# Altium PCB iMX6 Rex_V1I1_PCB.PcbDoc (part 6 of 8)
Units mm, origin at the board's own origin, x right, y up, seen from the top; angles counter-clockwise.
Board outline 70 x 40 mm, 12 copper layers (L1, L2, L3, L4, L5 (PWR), L6 (PWR), L7 (PWR), L8 (PWR), L9, L10, L11, L12), stack 1.566 mm thick; 473 components, 409 nets, 2294 pads, 1880 vias.
Unrouted connection lines stored in the file: 7.
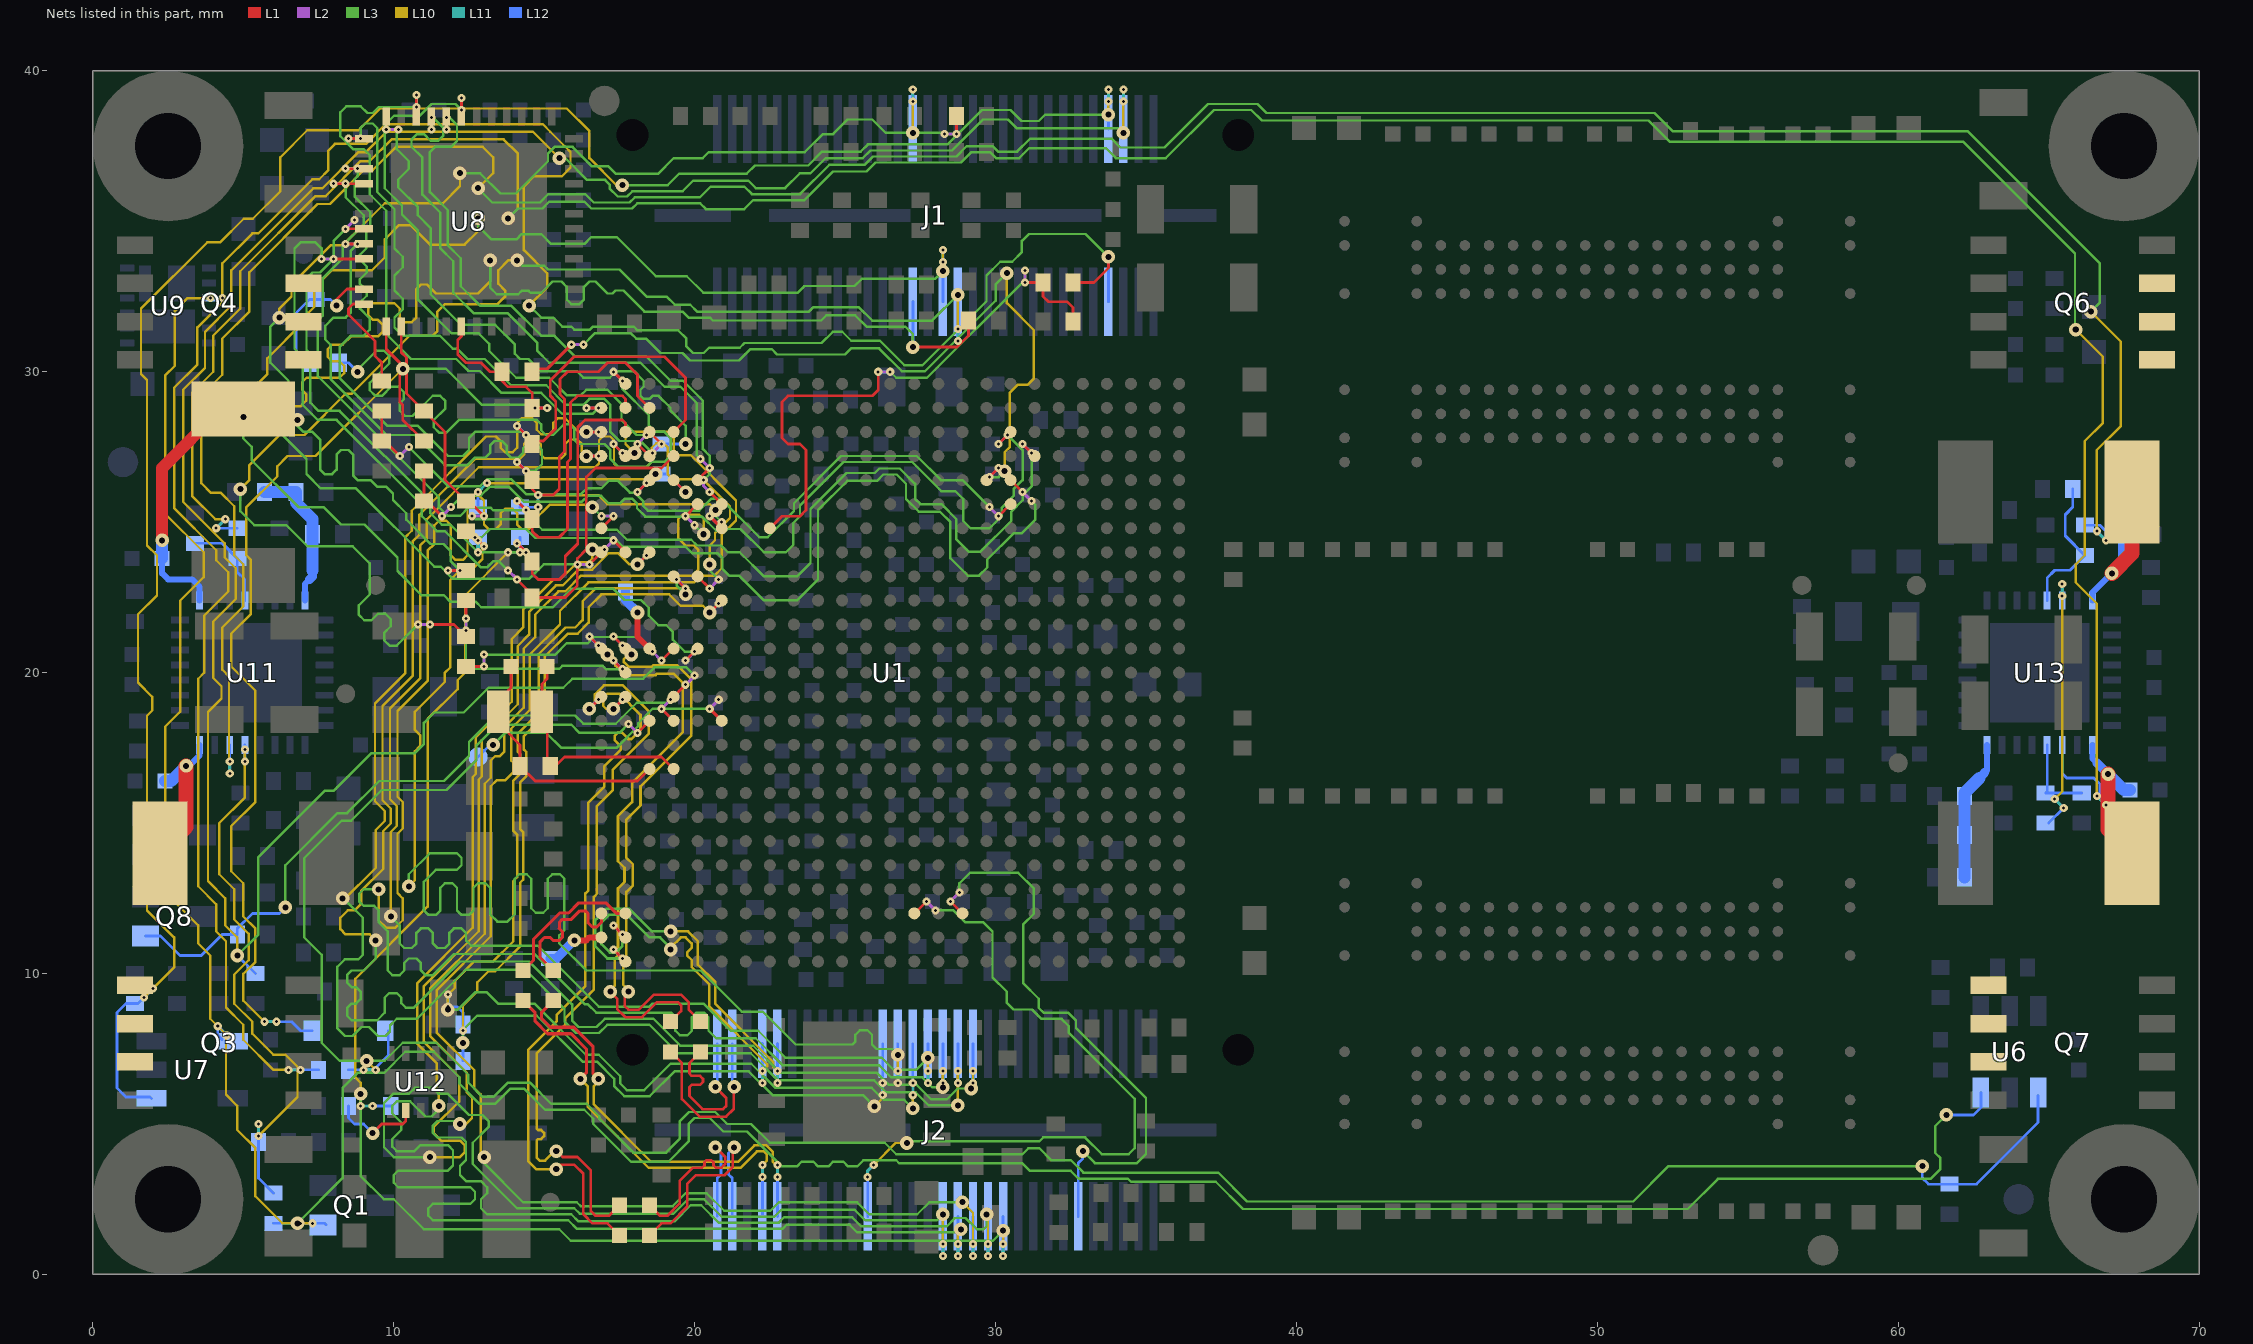
[diagram p16: the nets of this part, all layers, seen from the top]

## Via types
v1: diameter 0.45, hole 0.2, L1 to L12, tented both sides, 761 vias
v2: diameter 0.27, hole 0.1, L1 to L2, 305 vias
v3: diameter 0.27, hole 0.1, L2 to L3, 290 vias
v4: diameter 0.45, hole 0.2, L3 to L10, 196 vias
v5: diameter 0.27, hole 0.1, L11 to L12, 185 vias
v6: diameter 0.27, hole 0.1, L10 to L11, 142 vias
v7: diameter 0.45, hole 0.2, L3 to L10, tented both sides, 1 vias

## Nets (pads, with @x,y where several pads share a name; then routed paths per layer and width w, separated by ;. In a path a pad name is that pad's centre, name@x,y a point inside that pad or via, vN(x,y) a via of type N, cw(c..) or ccw(c..) an arc to the next point about the centre after c; other vN are vias at no path point) (continued)
ON_OFF: J1.6 R48.1 U1.D12 | length 84.9
  L1 w0.093: U1.D12@19.3,19.2 v2(19.7,19.6)
  L2 w0.1: v2(19.7,19.6) v3(20,19.9)
  L3 w0.08: v1(4.8,10.6) 5.5,11.3 5.5,13.87 7.7,16.07 8,16.07 9.255,17.325 10.7,17.325 11,17.625 11,18.33 11.345,18.675 12.326,18.675 13.151,19.5 15.634,19.5 15.934,19.8 18.287,19.8 18.662,20.175 19.725,20.175 v3(20,19.9) ; v4(15.5,37.1) 15.7,37.1 16.422,36.378 17.022,36.378 17.175,36.225 17.175,36.095 17.445,35.825 17.755,35.825 17.93,36 19.6,36 19.955,36.355 21.782,36.355 22.032,36.105 23.005,36.105 23.496,36.596 23.85,36.596 24.349,37.095 25.581,37.095 25.841,37.355 28.555,37.355 29.585,38.385 30.418,38.385 30.585,38.218 30.585,38.215 30.7,38.1 34.092,38.1 v4(34.25,37.943)
  L10 w0.08: v1(4.8,10.6) 4.8,11.2 4.4,11.6 4.4,12.5 3.825,13.075 3.825,18.695 4.275,19.145 4.275,19.55 4,19.825 4,21.7 4.75,22.45 4.75,23.468 4.38,23.838 4.38,24.3 3,25.68 3,29.4 3.725,30.125 3.725,31.325 4.6,32.2 4.6,33.371 7.329,36.1 7.63,36.1 8.83,37.3 9.083,37.3 9.758,37.975 14.625,37.975 v4(15.5,37.1) ; v4(34.25,37.943) v6(34.25,38.982)
  L11 w0.1: v6(34.25,38.982) v5(34.25,39.383)
  L12 w0.093: v1(4.8,10.6) R48.1@5.4,10 ; J1.6@34.25,38.07 v5(34.25,39.383)
PCIE_C_TX_N: C63.1 U1.A3 | length 4.9
  L1 w0.101: C63.1@15.3,10.1 14.865,10.535 14.865,11.061 15.004,11.2 15.2,11.2 15.3,11.1 15.5,11.1 15.6,11.2 15.6,11.4 15.5,11.5 15.504,11.504 15.504,11.7 15.604,11.8 15.9,11.8 16.185,12.085 16.365,12.085 16.45,12 16.45,11.7 16.6,11.55 16.75,11.55 16.9,11.7 U1.A3@16.9,12
PCIE_C_TX_P: C65.1 U1.B3 | length 4.9
  L1 w0.101: C65.1@14.3,10.1 14.65,10.45 14.65,11.15 15.515,12.015 15.811,12.015 16.146,12.35 17.045,12.35 17.396,12 U1.B3@17.7,12
PCIE_REXT: R15.2 U1.A2 | length 2
  L1 w0.2: v1(16,11.1) 16.4,11.1 16.5,11.2 U1.A2@16.9,11.2
  L12 w0.3: R15.2@15.2,10.5 15.4,10.5 v1(16,11.1)
PCIE_RX_N: J2.52 U1.B1 | length 14.1
  L1 w0.101: v2(17.3,10.8) U1.B1@17.7,10.4
  L2 w0.1: v2(17.3,10.8) v3(17.6,10.5)
  L3 w0.085: v3(17.6,10.5) 17.1,10.5 16.7,10.9 16.7,11.783 17.067,12.15 17.833,12.15 18.583,11.4 v4(19.2,11.4)
  L10 w0.085: v4(19.2,11.4) 19.783,11.4 20.103,11.08 20.103,10.3 20.688,9.715 20.688,8.993 22.612,7.068 22.612,6.895 v6(22.75,6.758)
  L11 w0.1: v5(22.75,6.358) v6(22.75,6.758)
  L12 w0.101: v5(22.75,6.358) J2.52@22.75,7.67
PCIE_RX_P: J2.54 U1.B2 | length 14.1
  L1 w0.101: v2(17.3,11.6) U1.B2@17.7,11.2
  L2 w0.1: v2(17.3,11.6) v3(17.6,11.3)
  L3 w0.085: v3(17.6,11.3) 17.6,10.914 17.386,10.7 17.183,10.7 16.9,10.983 16.9,11.7 17.15,11.95 17.75,11.95 18.5,11.2 18.85,11.2 19.2,10.85 v4(19.2,10.8)
  L10 w0.085: v4(19.2,10.8) 19.2,10.859 19.541,11.2 19.7,11.2 19.9,11 19.9,10.853 19.75,10.703 19.75,10.6 19.903,10.447 19.903,10.217 20.488,9.632 20.488,8.91 22.412,6.985 22.412,6.92 v6(22.25,6.758)
  L11 w0.1: v5@22.25,6.358 v6(22.25,6.758)
  L12 w0.101: v5@22.25,6.358 J2.54@22.25,7.67
  other v5: 22.25,6.358
PCIE_TX_N: C63.2 J2.51 | length 14.2
  L1 w0.101: C63.2@15.3,9.1 14.915,8.715 14.915,8.5 15.2,8.215 15.985,8.215 16.615,7.585 16.615,6.685 v1(16.8,6.5)
  L10 w0.085: v1(16.8,6.5) 16.8,6.4 16.641,6.241 16.641,5.659 18.557,3.743 21.438,3.743 21.984,4.289 22.381,4.289 22.6,4.07 22.6,3.743 22.7,3.643 v6(22.75,3.643)
  L11 w0.1: v5(22.75,3.243) v6(22.75,3.643)
  L12 w0.101: J2.51@22.75,1.93 v5(22.75,3.243)
PCIE_TX_P: C65.2 J2.53 | length 14.2
  L1 w0.101: C65.2@14.3,9.1 14.7,8.7 14.7,8.411 15.111,8 15.896,8 16.4,7.496 16.4,6.7 v1(16.2,6.5)
  L10 w0.085: v1(16.2,6.5) 16.441,6.259 16.441,5.576 18.475,3.542 21.52,3.542 22.066,4.089 22.299,4.089 22.4,3.987 22.4,3.793 v6(22.25,3.643)
  L11 w0.1: v5(22.25,3.243) v6(22.25,3.643)
  L12 w0.101: J2.53@22.25,1.93 v5(22.25,3.243)
PCIE_WAKE: J2.39 U1.P3 | length 24.3
  L1 w0.093: U1.P3@27.3,12 v2(27.7,12.4)
  L2 w0.1: v2(27.7,12.4) v3(28,12.1)
  L3 w0.08: v4(27.05,4.368) 27.107,4.425 31.455,4.425 31.585,4.555 32.975,4.555 33.53,4 34.425,4 34.625,4.2 34.625,5.835 32.438,8.023 32.438,8.251 32.196,8.493 31.522,8.493 31.209,8.805 30.595,8.805 30.375,9.025 30.375,9.395 29.9,9.87 29.9,11.4 29.6,11.7 29,11.7 28.6,12.1 v3(28,12.1)
  L10 w0.08: v6(25.95,3.643) 26.676,4.368 v4(27.05,4.368)
  L11 w0.1: v5(25.75,3.243) 25.75,3.443 v6(25.95,3.643)
  L12 w0.093: J2.39@25.75,1.93 v5(25.75,3.243)
PHASE1_2V5: C230.1 L4.2 Q6.5 Q6.6 Q6.7 U13.16 | length 6.7
  L1 w0.5: v1(67.1,23.3) 67.769,23.969 L4.2@67.769,26
  L12 w0.2: U13.16@66.45,22.4 66.45,22.65 v1(67.1,23.3) ; 67.4,23.6 67.4,24.5 C230.1@67.5,24.6
  L12 w0.4: v1(67.1,23.3) 67.4,23.6 67.5,23.7 C230.1@67.5,24.6
PHASE1_3V3: C211.1 L1.2 Q3.5 Q3.6 Q3.7 U11.16 | length 5.1
  L1 w0.5: L1.2@2.231,14 3.1,14.869 v1(3.1,16.9)
  L12 w0.2: v1(3.1,16.9) 3.2,16.9 3.55,17.25 U11.16@3.55,17.6
  L12 w0.4: C211.1@2.4,16.4 2.6,16.4 v1(3.1,16.9)
PHASE2_1V5: C231.2 L5.1 Q7.5 Q7.6 Q7.7 U13.25 | length 5.1
  L1 w0.5: v1(66.975,16.625) 66.975,14.794 L5.1@67.769,14
  L12 w0.2: U13.25@66.45,17.6 66.45,17.15 66.6,17
  L12 w0.3: 66.6,17 v1(66.975,16.625)
  L12 w0.4: v1(66.975,16.625) 67.5,16.1 C231.2@67.7,16.1
PHASE2_1V375: C212.2 L2.1 Q4.5 Q4.6 Q4.7 U11.25 | length 8.9
  L1 w0.4: v1(2.3,24.4) 2.3,26.8 4.269,28.769 L2.1@5,28.769
  L12 w0.2: C212.2@2.3,23.8 2.3,23.3 2.5,23.1 3.3,23.1 3.55,22.85 U11.25@3.55,22.4
  L12 w0.4: C212.2@2.3,23.8 v1(2.3,24.4)
PMIC_ON_REQ: Q8.1 R73.1 U1.D11 | length 23.7
  L1 w0.093: v2(18.9,18.8) U1.D11@19.3,18.4
  L2 w0.1: v2(18.9,18.8) v3(19.2,19.1)
  L3 w0.08: v1(6.4,12.2) 6.4,13.6 8.13,15.33 8.447,15.33 9.517,16.4 11.666,16.4 12.5,17.234 12.5,17.7 13.375,18.575 16.025,18.575 16.3,18.3 17.375,18.3 18.075,19 19.1,19 v3(19.2,19.1)
  L12 w0.093: Q8.1@1.75,11.25 2.25,11.25 2.9,10.6 3.6,10.6 4.3,11.3 R73.1@4.8,11.3 4.8,11.5 5.3,12 6.2,12 v1(6.4,12.2)
PMIC_STBY_REQ: TP3.1 U1.F11 | length 10.2
  L1 w0.093: v2(20.5,18.8) U1.F11@20.9,18.4
  L2 w0.1: v2(20.5,18.8) v3(20.8,19.1)
  L3 w0.08: v1(13.3,17.6) 13.7,18 15.07,18 15.57,17.5 17.403,17.5 18.125,18.222 18.125,18.321 18.604,18.8 v2(20.5,18.8) v3(20.8,19.1)
  L12 w0.093: TP3.1@12.8,17.2 13.2,17.6 v1(13.3,17.6)
POK_1V5: R164.1 U13.14 | length 8.9
  L10 w0.08: v6(65.2,15.8) 65.45,16.05 v6(65.45,22.55)
  L11 w0.1: v6(65.2,15.8) v5(65.5,15.5) ; v6(65.45,22.55) v5(65.45,22.95)
  L12 w0.093: R164.1@65,15 v5(65.5,15.5) ; U13.14@65.45,22.4 v5(65.45,22.95)
POK_1V5_R: R154.1 R164.2 U13.28 | length 2.8
  L12 w0.093: U13.28@64.95,17.6 64.95,16.05 R164.2@64.9,16 R154.1@66.1,16
POK_1V375: R108.1 U13.27 | length 103.1
  L3 w0.08: v4(13.8,35.1) 14.125,35.425 14.938,35.425 15.163,35.65 16.337,35.65 16.562,35.425 17.921,35.425 18.096,35.6 20.18,35.6 20.375,35.405 21.649,35.405 21.949,35.705 23.645,35.705 24.595,36.655 25.707,36.655 26.007,36.955 28.855,36.955 29.2,37.3 29.817,37.3 30.017,37.1 30.786,37.1 31.116,37.43 33.67,37.43 34,37.1 35.655,37.1 37.255,38.7 38.5,38.7 38.85,38.35 51.7,38.35 52.4,37.65 62.15,37.65 65.875,33.925 65.875,31.425 v4(65.9,31.4)
  L10 w0.08: v6(4.4,25.1) 4.07,25.1 3.3,25.87 3.3,29.3 4,30 4,31.2 4.9,32.1 4.9,33.338 7.4,35.838 7.738,35.838 8.9,37 9.2,37 9.925,37.725 13.65,37.725 14.125,37.25 14.125,35.425 v4(13.8,35.1) ; v4(65.9,31.4) 66.8,30.5 66.8,28.3 66.2,27.7 66.2,23.9 65.9,23.6 65.9,23 66.6,22.3 v6(66.6,15.9)
  L11 w0.1: v5(4.1,24.8) v6(4.4,25.1) ; v6(66.6,15.9) v5(66.9,15.6)
  L12 w0.093: v5@4.2,24.8 R108.1@4.8,24.8 ; U13.27@65.45,17.6 65.45,16.65 65.6,16.5 66.5,16.5 66.7,16.3 66.7,15.8 v5(66.9,15.6)
POK_1V375_R: R108.2 R130.1 U11.28 | length 3.1
  L12 w0.093: R130.1@3.4,24.3 4.3,24.3 R108.2@4.8,23.8 4.8,23.35 5.05,23.1 U11.28@5.05,22.4
POK_2V5: R163.1 U11.14 | length 100.4
  L3 w0.08: v4(12.8,36.1) 13.275,35.625 14.855,35.625 15.13,35.9 16.37,35.9 16.645,35.625 17.838,35.625 18.013,35.8 20.177,35.8 20.532,36.155 21.65,36.155 21.9,35.905 23.505,35.905 24.475,36.875 25.644,36.875 25.924,37.155 28.7,37.155 29.045,37.5 29.9,37.5 30.085,37.315 30.718,37.315 31.153,37.75 33.85,37.75 34.145,37.455 35.61,37.455 37.055,38.9 38.7,38.9 39,38.6 51.9,38.6 52.5,38 62.3,38 66.7,33.6 66.7,32.3 v4(66.4,32)
  L10 w0.08: v6(4.55,17.05) 4.525,17.075 4.525,19.875 4.3,20.1 4.3,21.5 5,22.2 5,23.601 4.7,23.901 4.7,25.53 4.255,25.975 3.925,25.975 3.6,26.3 3.6,29.2 4.3,29.9 4.3,31.1 5.2,32 5.2,33.305 7.47,35.575 7.875,35.575 9,36.7 9.3,36.7 10.075,37.475 12.955,37.475 13.3,37.13 13.3,36.6 v4(12.8,36.1) ; v4(66.4,32) 67.4,31 67.4,28.2 66.6,27.4 v6(66.6,24.7)
  L11 w0.1: v5(4.55,16.65) v6(4.55,17.05) ; v6(66.6,24.7) v5(66.9,24.4)
  L12 w0.093: v5(4.55,16.65) U11.14@4.55,17.6 ; R163.1@66.2,24.9 66.7,24.9 66.9,24.7 v5(66.9,24.4)
POK_2V5_R: R153.1 R163.2 U13.13 | length 4.9
  L12 w0.093: U13.13@64.95,22.4 64.95,23.15 65.203,23.403 65.703,23.403 R163.2@66.2,23.9 65.55,24.55 65.55,25.25 65.8,25.5 R153.1@65.8,26.1
POK_3V0_SNVS: R93.1 U12.7 | length 3
  L1 w0.093: v1(9.3,4.7) 9.6,5 10.3,5 10.4,5.1 U12.7@10.4,5.45
  L12 w0.093: R93.1@8.5,5.6 8.5,5.2 8.7,5 9,5 v1(9.3,4.7)
POK_3V3: Q1.1 R107.1 U6.3 U7.4 U9.9 | length 107.3
  L3 w0.08: v4(6.8,1.7) 8.3,3.2 8.3,6.2 8.8,6.7 9.683,6.7 10.383,7.4 11.33,7.4 12.175,6.555 12.175,6.345 12.85,5.67 13.37,5.67 13.875,6.175 14.325,6.175 15.025,5.475 16.33,5.475 16.63,5.175 16.63,5 17.885,3.745 19.128,3.745 19.8,4.417 19.8,5 20,5.2 20.5,5.2 20.95,4.75 21.744,4.75 22.901,3.593 23.405,3.593 23.555,3.743 23.945,3.743 24.095,3.593 24.445,3.593 24.595,3.743 24.945,3.743 25.095,3.593 25.405,3.593 25.606,3.794 ; 25.607,3.793 26.7,3.793 26.8,3.693 30.894,3.693 31.145,3.443 32.5,3.443 32.76,3.183 34.4,3.183 34.5,3.083 37.317,3.083 38.225,2.175 53.005,2.175 54.005,3.175 54.2,3.175 61.075,3.175 61.4,3.5 61.4,3.87 61.225,4.045 61.225,4.925 v1(61.6,5.3)
  L10 w0.08: v6(3.91,32.45) 3.15,32.45 2.725,32.025 2.725,30.2 2.4,29.875 2.4,25.283 3.683,24 3.683,23.174 2.9,22.391 2.9,18.7 2.4,18.2 2.4,12.7 3.5,11.6 3.5,11 3.9,10.6 3.9,8.5 v6(4.45,7.95) 4.425,7.925 4.425,5.975 4.8,5.6 4.8,4.8 5.4,4.2 5.4,2.6 6.3,1.7 v4(6.8,1.7) v6(7.3,1.7)
  L11 w0.1: v6(3.91,32.45) v5(4.31,32.45) ; v5(4.15,8.25) v6(4.45,7.95) ; v5(6.9,1.7) v6(7.3,1.7)
  L12 w0.093: U9.9@3.86,32.45 v5(4.31,32.45) ; v5(4.15,8.25) 4.15,7.95 U7.4@4.3,7.8 ; R107.1@6,1.7 7.7,1.7 Q1.1@7.75,1.65 ; v1(61.6,5.3) 62.5,5.3 62.75,5.55 U6.3@62.75,6.05
POK_3V3_R: R107.2 R129.1 U11.13 | length 19.3
  L10 w0.08: v6(5.05,17.45) 5.05,15.85 4.2,15 4.2,13.3 4.7,12.8 4.7,11.8 5.175,11.325 5.175,10.445 4.7,9.97 4.7,8.997 5.3,8.397 5.3,8 6,7.3 6.403,7.3 6.8,6.903 6.8,5.9 v6(5.5,4.6)
  L11 w0.1: v5(5.05,17.05) v6(5.05,17.45) ; v6(5.5,4.6) v5(5.5,5)
  L12 w0.093: v5(5.05,17.05) U11.13@5.05,17.6 ; v5(5.5,5) R129.1@5.5,4.4 5.5,3.2 R107.2@6,2.7
POR_BN: D1.1 R60.1 R70.1 U1.C11 U6.1 | length 88.3
  L1 w0.093: v2(18.1,18) U1.C11@18.5,18.4
  L2 w0.1: v3(17.8,18.3) v2(18.1,18)
  L3 w0.08: v3(17.8,18.3) 17.5,18 16.175,18 15.9,18.275 13.445,18.275 12.75,17.58 12.75,17.101 11.749,16.1 9.6,16.1 8.58,15.08 8.267,15.08 7.025,13.838 7.025,11.2 7.6,10.625 7.6,7.7 8.2,7.1 v4(9.1,7.1) 9.7,7.1 10.3,7.7 11.413,7.7 12.475,6.638 12.475,6.378 12.953,5.9 13.317,5.9 13.792,6.375 14.525,6.375 15.225,5.675 16.413,5.675 16.83,5.258 16.83,5.183 17.963,4.05 19.05,4.05 19.5,4.5 19.5,5.083 19.817,5.4 20.683,5.4 21.083,5 21.877,5 22.5,4.377 26.316,4.377 26.7,3.993 30.893,3.993 31.093,4.193 31.455,4.193 31.848,3.8 32.5,3.8 32.918,3.383 37.4,3.383 38.358,2.425 51.195,2.425 52.37,3.6 v1(60.8,3.6)
  L10 w0.08: v4(9.1,7.1) v6(9.4,6.8)
  L11 w0.1: v5(9,6.8) v6(9.4,6.8)
  L12 w0.093: R70.1@8.5,6.8 v5(9,6.8) 9.325,6.8 9.819,7.294 D1.1@9.819,8.1 ; v1(60.8,3.6) 60.8,3.4 60.8,3.2 61,3 61.2,3 R60.1@61.7,3 62.6,3 64.65,5.05 U6.1@64.65,5.95
REFIN2_1V5: R134.1 R135.1 R158.2 U13.32 | length 4.7
  L12 w0.2: 62.875,16.675 62.95,16.75 U13.32@62.95,17.6
  L12 w0.3: 62.7,16.5 62.875,16.675
  L12 w0.4: R158.2@62.2,13.2 R134.1@62.2,14.6 R135.1@62.2,15.9 62.2,16 62.7,16.5
REFIN2_1V375: R119.1 R120.2 R136.2 U11.32 | length 5.5
  L12 w0.2: U11.32@7.05,22.4 7.05,22.95 7.2,23.1 ; R120.2@7.3,24.6 7.3,25.1
  L12 w0.3: 7.2,23.1 7.3,23.2 7.3,23.4
  L12 w0.4: R136.2@5.7,26 R119.1@6.75,26 6.75,25.65 7.3,25.1 R120.2@7.3,24.6 7.3,23.4
RGMII_INT: R88.2 R89.1 U1.W22 U8.38 | length 35
  L1 w0.093: U8.38@10.25,31.51 10.25,30.65 10.425,30.475 10.425,29.275 R89.1@11,28.7 11.7,28 11.7,26.4 R88.2@12.4,25.7 12.5,25.7 v2(13,25.2) ; v2(30.9,27.6) U1.W22@31.3,27.2
  L2 w0.1: v3(12.6,25.2) v2(13,25.2) ; v2(30.9,27.6) v3(31.2,27.3)
  L3 w0.08: v3(12.6,25.2) 12.7,25.1 14.583,25.1 14.933,24.75 17.42,24.75 17.755,24.415 19.885,24.415 20.075,24.225 20.875,24.225 21.1,24 21.5,24 22.3,23.2 23.4,23.2 23.85,23.65 23.85,25.436 25.05,26.636 25.986,26.636 26.135,26.785 26.815,26.785 27.325,26.275 27.325,25.775 27.5,25.6 28.2,25.6 28.7,25.1 28.7,24.425 29.1,24.025 29.5,24.025 30.525,25.05 30.525,25.355 30.9,25.73 30.9,25.892 31.2,26.193 v3(31.2,27.3)
RGMII_INT_R: R88.1 U1.V21 | length 29.2
  L1 w0.093: R88.1@12.4,24.7 12.5,24.7 v2(13,24.2) ; U1.V21@30.5,26.4 v2(30.9,26)
  L2 w0.1: v3(12.7,24.5) v2(13,24.2) ; v2(30.9,26) v3(31.2,25.7)
  L3 w0.08: v3(12.7,24.5) 12.925,24.5 13.2,24.775 14.4,24.775 14.7,24.475 17.325,24.475 17.615,24.185 19.7,24.185 19.91,23.975 20.755,23.975 20.925,23.805 20.925,23.445 21.145,23.225 21.475,23.225 22.3,22.4 23.4,22.4 24.1,23.1 24.1,25.403 25.072,26.375 26.058,26.375 26.268,26.585 26.718,26.585 27.025,26.278 27.025,25.775 27.45,25.35 28.153,25.35 28.5,25.003 28.5,23.8 29.075,23.225 29.455,23.225 29.725,23.495 29.725,23.755 30.6,24.63 30.861,24.63 31.325,25.095 31.325,25.575 v3(31.2,25.7)
RGMII_MDC: R85.1 R87.1 U1.V20 | length 26.8
  L1 w0.093: R85.1@9.6,28.8 R85.1@9.6,28.7 R87.1@9.6,27.7 9.7,27.7 v2(10.2,27.2) ; v2(30.1,25.2) U1.V20@30.5,25.6
  L2 w0.1: v2(10.2,27.2) v3(10.5,27.5) ; v3(29.8,25.5) v2(30.1,25.2)
  L3 w0.08: v3(10.5,27.5) 11.8,26.2 12.875,26.2 13.1,26.425 13.908,26.425 14.398,25.935 16.222,25.935 16.412,26.125 16.895,26.125 17.145,26.375 17.455,26.375 17.845,25.985 18.001,25.985 18.285,25.701 18.285,25.545 18.445,25.385 20.155,25.385 20.545,25.775 20.875,25.775 22.15,24.5 22.425,24.5 23.3,25.375 23.3,25.633 24.867,27.2 27.383,27.2 28.183,26.4 28.9,26.4 v3(29.8,25.5)
RGMII_MDIO: R86.1 R162.1 U1.V23 | length 29.7
  L1 w0.093: R86.1@11,26.7 11,25.8 v2(11.6,25.2) ; v2(30.1,27.6) U1.V23@30.5,28
  L2 w0.1: v2(11.6,25.2) v3(11.9,25.5) ; v2(30.1,27.6) v3(30.4,27.9)
  L3 w0.08: v3(11.9,25.5) 12.3,25.9 12.908,25.9 13.183,26.175 13.825,26.175 14.315,25.685 16.255,25.685 16.445,25.875 16.895,25.875 17.145,25.625 17.522,25.625 17.682,25.785 17.918,25.785 18.085,25.618 18.085,25.463 18.362,25.185 20.245,25.185 20.715,24.715 21.018,24.715 21.078,24.775 21.525,24.775 22.3,24 23.03,24 23.275,24.245 23.275,24.975 23.5,25.2 23.5,25.55 24.95,27 27.23,27 28.2,26.03 28.67,26.03 28.925,25.775 28.925,25.045 29.17,24.8 29.8,24.8 30.2,25.2 30.2,25.475 30.6,25.875 30.6,26.1 30.9,26.4 30.9,27.4 v3(30.4,27.9)
RGMII_R_MDC: R85.2 U8.36 | length 3.4
  L1 w0.093: U8.36@9.01,32.25 8.65,32.25 8.5,32.1 8.5,31.9 9.375,31.025 9.375,30.525 9.6,30.3 R85.2@9.6,29.7
RGMII_R_MDIO: R86.2 U8.37 | length 4.3
  L1 w0.093: U8.37@9.75,31.51 9.75,30.75 10.2,30.3 10.2,29 10.3,28.9 10.3,28.4 R86.2@11,27.7
RGMII_R_RXCLK: R83.2 R101.2 U8.35 | length 4.8
  L1 w0.093: v1(8.1,32.2) 8.1,32.4 8.45,32.75 U8.35@9.01,32.75
  L12 w0.093: R83.2@7.2,30.3 7.1,30.3 6.75,30.65 6.75,31.95 7.2,32.4 R101.2@7.4,32.4 7.9,32.4 v1(8.1,32.2)
RGMII_R_TXCLK: R35.1 U1.D21 | length 1.6
  L1 w0.093: U1.D21@19.3,26.4 v1(19.7,26)
  L12 w0.093: R35.1@18.9,26.6 19.1,26.6 v1(19.7,26)
RGMII_RSTN: D1.2 R65.2 R75.1 U8.42 | length 38.3
  L1 w0.093: U8.42@12.25,31.51 12.25,31.18 12.125,31.055 12.125,30.575 12.4,30.3 12.9,30.3 13.2,30 R65.2@13.6,30 13.6,29.7 13.8,29.5 14.4,29.5 14.6,29.3 R75.1@14.6,28.9 ; R75.1@14.6,28.8 v2(15.1,28.8)
  L2 w0.1: v3(14.7,28.8) v2(15.1,28.8)
  L3 w0.08: v4(10.3,30.1) 11.73,30.1 12.93,28.9 14.6,28.9 v3(14.7,28.8)
  L10 w0.08: v6(5.7,8.4) 5,9.1 5,9.987 5.4,10.387 5.4,11.5 5,11.9 5,13 4.6,13.4 4.6,14.9 5.4,15.7 5.4,19.4 4.6,20.2 4.6,21.3 5.25,21.95 5.25,23.75 5.1,23.9 5.1,25.5 6.125,26.525 6.125,26.855 6.47,27.2 7.4,27.2 v4(10.3,30.1)
  L11 w0.1: v6(5.7,8.4) v5(6.1,8.4)
  L12 w0.093: v5(6.1,8.4) 6.6,8.4 6.9,8.1 D1.2@7.281,8.1
RGMII_RSTN_R: R65.1 U1.U21 | length 28.1
  L1 w0.093: R65.1@14.6,30.1 15.1,30.1 15.5,30.5 v2(15.9,30.9) ; U1.U21@29.7,26.4 v2(30.1,26.8)
  L2 w0.1: v2(15.9,30.9) v3(16.3,30.9) ; v3(29.8,26.5) v2(30.1,26.8)
  L3 w0.08: v3(16.3,30.9) 16.675,31.275 17.884,31.275 18.059,31.1 18.387,31.1 18.862,30.625 19.6,30.625 19.85,30.375 21.475,30.375 21.855,30.755 22.56,30.755 22.74,30.575 25,30.575 25.2,30.775 26.128,30.775 26.886,30.018 27.655,30.018 30,32.363 30,32.905 v4(30.375,33.28) ; v3(29.8,26.5) 30.1,26.5 v4(30.3,26.7)
  L10 w0.08: v4(30.3,26.7) 30.3,27.325 30.475,27.5 30.475,29.305 30.745,29.575 31.075,29.575 31.275,29.775 31.275,31.38 30.375,32.28 v4(30.375,33.28)
RGMII_RXCLK: R83.1 U1.B25 | length 22.7
  L1 w0.093: v2(17.3,30) U1.B25@17.7,29.6
  L2 w0.1: v2(17.3,30) v3(17.6,29.7)
  L3 w0.08: v1(8.8,30) 8.8,30.07 9.43,30.7 9.674,30.7 9.85,30.523 9.85,30.28 9.2,29.63 9.2,29.386 9.377,29.21 9.62,29.21 9.91,29.5 10.154,29.5 10.33,29.323 10.33,29.08 10.2,28.95 10.2,28.706 10.377,28.53 10.62,28.53 11.295,29.205 11.538,29.205 11.715,29.028 11.715,28.785 11.33,28.4 11.33,28.157 11.507,27.98 11.75,27.98 12.17,28.4 14.75,28.4 14.9,28.25 14.9,28.05 15.05,27.9 15.3,27.9 15.65,28.25 15.85,28.25 16,28.1 16,27.735 16.135,27.6 17,27.6 17.2,27.4 17.2,27.1 17.45,26.85 18.42,26.85 18.585,27.015 19.015,27.015 19.2,27.2 19.2,27.8 19,28 18.703,28 18.475,28.228 18.475,28.555 17.6,29.43 v3(17.6,29.7)
  L12 w0.093: R83.1@8.2,30.3 8.5,30.3 v1(8.8,30)
RGMII_RXD0: R98.1 U1.C24 U8.32 | length 27.4
  L1 w0.093: v2(8.4,34.25) U8.32@9.01,34.25 ; v2(14.1,27) 14.6,26.5 14.6,26.1 14.8,25.9 15.3,25.9 15.5,26.1 15.5,27.17 15.675,27.345 15.675,29.1 15.525,29.25 15.525,29.755 15.77,30 16.8,30 17.1,30.3 17.7,30.3 18.1,29.9 18.1,29.2 U1.C24@18.5,28.8
  L2 w0.1: v2(8.4,34.25) v3(8.8,34.25) ; v2(14.1,27) v3(14.4,26.7)
  L3 w0.08: v3(8.8,34.25) 8.575,34.025 8.575,31.975 8.4,31.8 8,31.8 7.725,31.525 7.725,31.075 7.9,30.9 7.9,29.763 9.763,27.9 10.7,27.9 11.7,26.9 12.45,26.9 12.7,27.15 13.05,27.15 13.2,27.3 13.2,27.55 13.35,27.7 13.6,27.7 13.75,27.55 13.75,27.3 13.9,27.15 14.15,27.15 14.3,27.3 14.3,27.45 14.45,27.6 14.725,27.6 14.925,27.4 14.925,26.925 14.715,26.715 14.415,26.715 v3(14.4,26.7)
RGMII_RXD1: R97.1 U1.B23 U8.31 | length 27.4
  L1 w0.093: v2(8.4,34.75) U8.31@9.01,34.75 ; v2(14.1,24.3) 14.6,23.8 R97.1@14.6,23.7 14.6,23.3 14.8,23.1 15.5,23.1 15.7,23.3 15.7,23.87 16.115,24.285 16.115,28.157 16.358,28.4 17.6,28.4 17.7,28.3 U1.B23@17.7,28
  L2 w0.1: v2(8.4,34.75) v3(8.7,35.05) ; v2(14.1,24.3) v3(14.4,24)
  L3 w0.08: v3(8.7,35.05) 8,34.35 8,33.747 7.553,33.3 7.3,33.3 7.1,33.1 7.1,30.721 7.225,30.596 7.225,28.975 7.5,28.7 8.2,28.7 11.217,25.683 11.217,25.3 11.6,24.917 11.88,24.917 12.797,24 v3(14.4,24)
RGMII_RXD2: R96.1 U1.B24 U8.28 | length 27.4
  L1 w0.093: v2(8,36.25) U8.28@9.01,36.25 ; v2(14.1,25.7) 14.6,25.2 R96.1@14.6,25.1 14.6,24.7 14.8,24.5 15.5,24.5 15.775,24.775 15.775,27 15.875,27.1 15.875,28.975 16.1,29.2 17.6,29.2 17.7,29.1 U1.B24@17.7,28.8
  L2 w0.1: v2(8,36.25) v3(8.4,36.25) ; v2(14.1,25.7) v3(14.4,25.4)
  L3 w0.08: v3(8.4,36.25) 8.4,35.8 9,35.2 9,34.9 8.3,34.2 8.3,33.764 7.636,33.1 7.636,31.861 7.475,31.7 7.475,29.855 11.5,25.83 11.5,25.497 11.782,25.215 12.212,25.215 12.482,25.485 13.215,25.485 13.3,25.4 v3(14.4,25.4)
RGMII_RXD3: R95.1 U1.D23 U8.27 | length 28.3
  L1 w0.093: v2(8.4,36.75) U8.27@9.01,36.75 ; v2(14.1,28.2) 14.6,27.7 R95.1@14.6,27.6 R95.1@14.65,27.65 ; R95.1@14.7,27.6 R95.1@14.65,27.65 ; U1.D23@19.3,28 19.7,28.4 19.7,29.8 19,30.5 15.987,30.5 15.2,29.713 15.2,29.203 15.385,29.018 15.385,28.115 14.97,27.7 14.7,27.7 R95.1@14.65,27.65
  L2 w0.1: v2(8.4,36.75) v3(8.8,36.75) ; v2(14.1,28.2) v3(14.4,27.9)
  L3 w0.08: v3(8.8,36.75) 8.8,36.5 8.7,36.4 8.7,35.825 9.225,35.3 9.225,34.8 9.085,34.66 9.085,34.1 8.875,33.89 8.875,33.725 9.1,33.5 9.1,33.3 8.875,33.075 8.875,32.925 9.1,32.7 9.1,32.525 8.875,32.3 8.875,32.1 9.2,31.775 9.2,31.4 9,31.2 8.575,31.2 8.2,30.825 8.2,29.796 9.796,28.2 10.8,28.2 11.8,27.2 12.3,27.2 12.5,27.4 12.5,27.8 12.7,28 14.3,28
RGMII_RXDV: R91.1 U1.D22 U8.33 | length 27.4
  L1 w0.093: v2(8,33.75) U8.33@9.01,33.75 ; v2(14.1,23.1) 14.7,22.5 15.7,22.5 16.1,22.9 16.1,23.8 16.4,24.1 16.4,26.5 16.7,26.8 18.9,26.8 U1.D22@19.3,27.2
  L2 w0.1: v3(7.6,33.75) v2(8,33.75) ; v3(13.8,23.4) v2(14.1,23.1)
  L3 w0.08: v3(7.6,33.75) 7.6,34.1 7.4,34.3 6.9,34.3 6.7,34.1 6.7,30.763 6.975,30.488 6.975,28.9 7.475,28.4 8.1,28.4 10.934,25.566 10.934,25.2 11.434,24.7 11.7,24.7 12.9,23.5 13.1,23.5 13.3,23.7 13.5,23.7 v3(13.8,23.4)
RGMII_TXCLK: R35.2 U8.24 | length 19.7
  L1 w0.093: v2(9.75,38.05) U8.24@9.75,38.49
  L2 w0.1: v2(9.75,38.05) v3(10.15,38.05)
  L3 w0.08: v3(10.15,38.05) 10.1,38 10.1,37.4 10.5,37 10.5,36.737 10.15,36.387 10.15,36.125 10.8,35.475 10.8,35.2 11.225,34.775 11.225,32.575 12.237,31.562 13.368,31.562 14.025,30.905 14.025,30.6 14.2,30.425 14.475,30.425 14.88,30.02 16.08,30.02 16.3,29.8 17.18,29.8 17.4,30.02 17.98,30.02 18.3,29.7 18.3,29.5 18.2,29.4 18.2,29.2 18.3,29.1 18.5,29.1 18.6,29.2 18.8,29.2 19.197,28.803 19.197,28.711 19.7,28.208 v1(19.7,27.6)